# Altium PCB CL-HC-M-V2.1.PcbDoc (part 6 of 19) (continued)
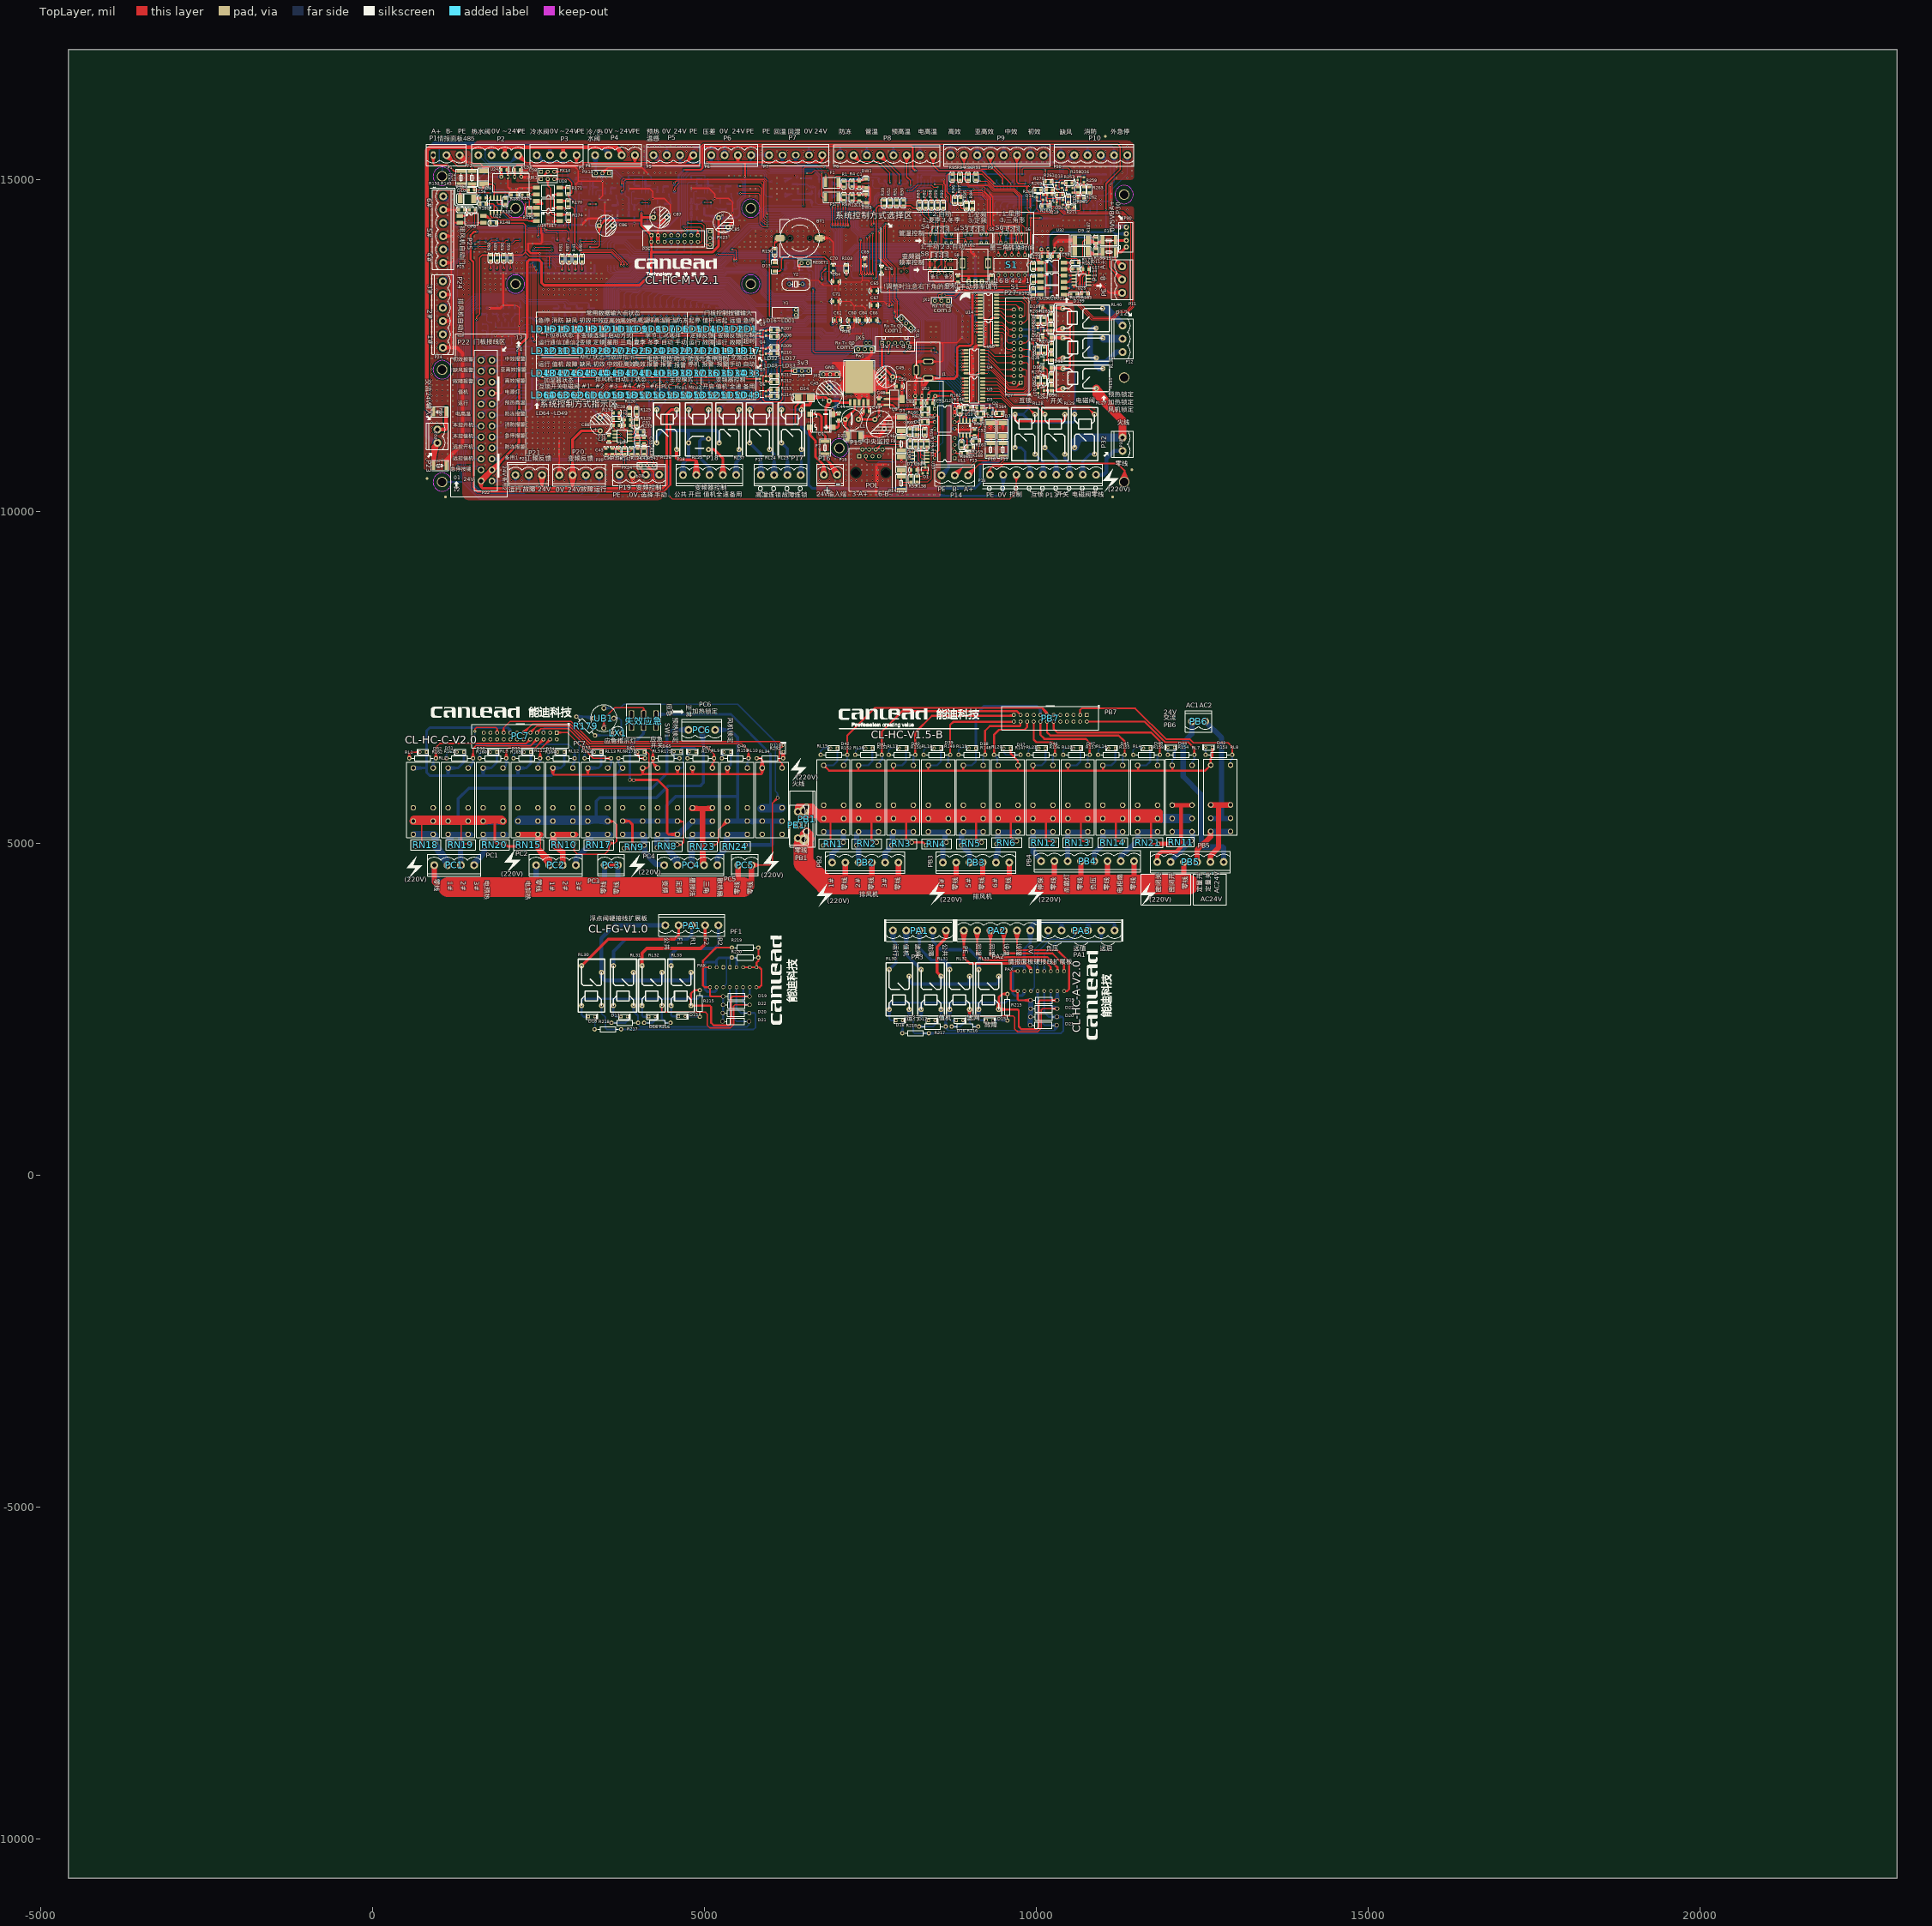
[diagram p0: TopLayer view]
## Nets (pads, with @x,y where several pads share a name; then routed paths per layer and width w, separated by ;. In a path a pad name is that pad's centre, name@x,y a point inside that pad or via, vN(x,y) a via of type N, cw(c..) or ccw(c..) an arc to the next point about the centre after c; other vN are vias at no path point) (continued)
24V-中效报警灯: P22.2 U8.14 | length 1142.2
  BottomLayer w20: P22.2@1802.48,12260.27 1910.66,12280.18 ; P22.2@1802.48,12300.1 1910.66,12280.18 ; P22.2@1807.93,12240.85 1910.66,12280.18 ; P22.2@1807.93,12319.52 1910.66,12280.18 ; 2207.38,12336.08 U8.14@2282.38,12336.08 ; U8.14@2294.67,12336.08 2073.22,12336.08 2017.32,12280.18 P22.2@1800.66,12280.18 1910.66,12280.18
24V-亚高效报警灯: P22.4 U8.12 | length 1169.2
  BottomLayer w20: P22.4@1802.48,12094.91 1910.66,12114.83 ; P22.4@1802.48,12134.74 1910.66,12114.83 ; P22.4@1807.93,12075.49 1910.66,12114.83 ; P22.4@1807.93,12154.16 1910.66,12114.83 ; 2207.38,12236.08 U8.12@2282.38,12236.08 ; U8.12@2294.67,12236.08 2155.67,12236.08 2034.42,12114.83 P22.4@1800.66,12114.83 1910.66,12114.83
24V-值机: RL25.2 U27.13 | length 1738.4
  BottomLayer w20: RL25.2@4744.8,11558.27 4844.56,11616.83 RL25.2@4786,11517.07 ; RL25.2@4762.76,11535.04 4911.02,11683.29 5988.64,11683.29 6010.95,11705.6 U27.13@6010.95,11818.83 ; 6010.95,11718.83 U27.13@6010.95,11793.83
24V-停机保温: P27.18 U15.16 | length 580.9
  TopLayer w15: U15.16@9403.64,12854.54 9482.41,12854.54 ; U15.16@9428.64,12854.54 9482.41,12854.54 ; P27.18@9662.7,12722.11 9593.07,12743.88 ; P27.18@9662.7,12765.66 9593.07,12743.88 ; 9482.41,12854.54 9593.07,12743.88 ; 9593.07,12743.88 P27.18@9666.03,12743.88 9593.07,12743.88
24V-初效报警灯: P22.1 U8.15 | length 1219.3
  BottomLayer w20: P22.1@1612.62,12313.13 1713.27,12358.15 ; P22.1@1622.5,12295.55 1713.27,12358.15 ; P22.1@1635.3,12280.18 1713.27,12358.15 ; P22.1@1650.67,12267.38 1713.27,12358.15 ; P22.1@1668.25,12257.5 1713.27,12358.15 ; 2207.38,12386.08 U8.15@2282.38,12386.08 ; U8.15@2294.67,12386.08 2052.49,12386.08 2024.56,12358.15 1713.27,12358.15
24V-加湿器-加湿互锁: RL28.1 U3.10 | length 1452.7
  TopLayer w15: U3.10@9194.27,11709.99 9472.52,11709.99 9628.06,11554.45 9890.74,11554.45 RL28.1@9981.53,11463.66 9910.34,11534.85 ; U3.10@9219.27,11709.99 9279.27,11709.99 ; RL28.1@9955.71,11444.98 9910.34,11534.85 ; RL28.1@9968.64,11452.77 9910.34,11534.85 ; RL28.1@9992.42,11476.55 9910.34,11534.85 ; RL28.1@10000.21,11489.48 9910.34,11534.85
24V-加湿器-加湿开关: RL29.2 U3.11 | length 1623.4
  TopLayer w15: U3.11@9194.27,11759.99 9460.98,11759.99 9641.52,11579.45 10015.74,11579.45 RL29.2@10131.53,11463.66 10060.34,11534.85 ; U3.11@9219.27,11759.99 9279.27,11759.99 ; RL29.2@10105.71,11444.98 10060.34,11534.85 ; RL29.2@10118.64,11452.77 10060.34,11534.85 ; RL29.2@10142.42,11476.55 10060.34,11534.85 ; RL29.2@10150.21,11489.48 10060.34,11534.85
24V-加湿器-加湿电磁阀: RL27.1 U3.12 | length 2392.1
  TopLayer w15: U3.12@9194.27,11809.99 9446.34,11809.99 9651.88,11604.45 10070.85,11604.45 10126.97,11548.33 10795.19,11548.33 RL27.1@10879.6,11463.92 10808.41,11535.11 ; U3.12@9219.27,11809.99 9279.27,11809.99 ; RL27.1@10853.79,11445.24 10808.41,11535.11 ; RL27.1@10866.72,11453.03 10808.41,11535.11 ; RL27.1@10890.49,11476.81 10808.41,11535.11 ; RL27.1@10898.29,11489.74 10808.41,11535.11
24V-加热1: P27.4 U4.13 | length 854.6
  TopLayer w15: U4.13@9194.27,12283.43 9282.38,12283.43 9521.92,12043.88 P27.4@9666.03,12043.88 9591.5,12043.88 ; U4.13@9219.27,12283.43 9279.27,12283.43 ; P27.4@9662.77,12022.1 9591.5,12043.88 ; P27.4@9662.77,12065.67 9591.5,12043.88
24V-加热2: P27.19 U14.15 | length 1020
  TopLayer w15: U14.15@9403.64,13217.5 9789.73,13217.5 9866.97,13140.26 9866.97,12895.91 9814.94,12843.88 ; U14.15@9428.64,13217.5 9488.64,13217.5 ; P27.19@9766.03,12843.88 9814.94,12843.88 ; P27.19@9770.99,12822.42 9814.94,12843.88 ; P27.19@9770.99,12865.35 9814.94,12843.88
24V-加热3: P27.1 U4.11 | length 1028.4
  TopLayer w15: U4.11@9194.27,12183.43 9298.16,12183.43 9596.36,11885.23 9707.38,11885.23 ; U4.11@9219.27,12183.43 9279.27,12183.43 ; P27.1@9748.52,11957.25 9707.38,11885.23 ; P27.1@9779.4,11926.38 9707.38,11885.23 ; 9707.38,11885.23 P27.1@9766.03,11943.88 9707.38,11885.23
24V-变频: P27.5 U3.16 | length 1297.3
  TopLayer w15: U3.16@9194.27,12009.99 9400.89,12009.99 9575.65,11835.23 9817.01,11835.23 9858.1,11876.32 9858.1,12120.81 9835.02,12143.88 ; U3.16@9219.27,12009.99 9279.27,12009.99 ; P27.5@9766.03,12143.88 9835.02,12143.88 ; P27.5@9769.55,12122.14 9835.02,12143.88 ; P27.5@9769.55,12165.63 9835.02,12143.88
24V-变频开启: RL26.2 U27.14 | length 2130.8
  BottomLayer w20: RL26.2@4264.8,11558.27 4364.56,11616.83 RL26.2@4306,11517.07 ; RL26.2@4282.76,11535.04 4459.02,11711.29 5934.55,11711.29 5960.95,11737.69 ; U27.14@5960.95,11793.83 5960.95,11737.69 ; U27.14@5960.95,11818.83 5960.95,11737.69
24V-备用: RL37.2 U27.12 | length 1329.2
  BottomLayer w20: RL37.2@5204.8,11558.27 5304.56,11616.83 RL37.2@5246,11517.07 ; RL37.2@5222.76,11535.04 5343.02,11655.29 6011.89,11655.29 6060.95,11704.36 U27.12@6060.95,11818.83 ; 6060.95,11718.83 U27.12@6060.95,11793.83
24V-外接急停报警: P22.16 U25.11 | length 1548.9
  BottomLayer w20: P22.16@1802.48,11102.78 1910.66,11122.7 ; P22.16@1802.48,11142.62 1910.66,11122.7 ; P22.16@1807.93,11083.37 1910.66,11122.7 ; P22.16@1807.93,11162.03 1910.66,11122.7 ; U25.11@2282.38,11716.61 2228.55,11716.61 ; U25.11@2307.38,11716.61 2228.55,11716.61 ; 1910.66,11122.7 P22.16@1800.66,11122.7 1963.04,11122.7 2104.07,11263.73 2104.07,11592.12 2228.55,11716.61
24V-定量阀: P27.3 U4.10 | length 1135.4
  TopLayer w15: U4.10@9194.27,12133.43 9312.8,12133.43 9586,11860.23 9806.66,11860.23 9833.1,11886.67 9833.1,12026.1 9815.31,12043.88 ; U4.10@9219.27,12133.43 9279.27,12133.43 ; P27.3@9766.03,12043.88 9815.31,12043.88 ; P27.3@9770.95,12022.41 9815.31,12043.88 ; P27.3@9770.95,12065.35 9815.31,12043.88
24V-定频: P27.7 U3.15 | length 1470.2
  TopLayer w15: U3.15@9194.27,11959.99 9402.4,11959.99 9562.86,11799.53 9816.67,11799.53 9883.1,11865.96 9883.1,12215.41 9854.62,12243.88 P27.7@9766.03,12243.88 ; U3.15@9219.27,11959.99 9279.27,11959.99 ; P27.7@9769.28,12222.1 9840.56,12243.88 P27.7@9769.28,12265.67
24V-密闭阀: P27.2 U4.12 | length 875.3
  TopLayer w15: U4.12@9194.27,12233.43 9284.42,12233.43 9573.96,11943.88 P27.2@9666.03,11943.88 9591.5,11943.88 ; U4.12@9219.27,12233.43 9279.27,12233.43 ; P27.2@9662.77,11922.1 9591.5,11943.88 ; P27.2@9662.77,11965.67 9591.5,11943.88
24V-情报-负压: OP3.2 P26.6 PA3.1 PAX.6@9920.16,2775.27 R249.2 | length 6681.2
  TopLayer w15: v1@6545.83,15097.48 6619.63,15097.48 6661.22,15139.08 v1(6852.92,15139.08) 6795.42,15139.08 ; v1(6546.7,15098.35) 6604.21,15097.48
  BottomLayer w15: P26.6@4388.96,14080.95 4450.8,14112.03 ; P26.6@4401.86,14063.1 4450.8,14112.03 ; P26.6@4419.72,14050.2 4450.8,14112.03 ; 6489.2,15098.35 v1(6546.7,15098.35) 5964.44,15098.35 5914.44,15148.35 4751.73,15148.35 4657.86,15054.48 4657.86,14421.41 4645,14408.55 4645,14252.36 4653.33,14244.02 4653.33,14127.58 4637.79,14112.03 4450.8,14112.03 ; v1(6852.92,15139.08) 7460.5,15139.08 7470.12,15129.45 7470.12,15046.15 7479.99,15036.28 7617.09,15036.28 7625.18,15028.19 ; R249.2@7612.83,14995.3 7625.18,14957.04 ; R249.2@7612.93,14999.76 7625.18,15028.19 ; R249.2@7637.42,14999.76 7625.18,15028.19 ; R249.2@7637.52,14995.3 7625.18,14957.04 ; OP3.2@7712.38,14877.24 7712.38,14935.21 ; OP3.2@7712.38,14907.24 7712.38,14935.21 ; 7625.18,14957.04 7635.56,14946.66 7700.93,14946.66 7712.38,14935.21 ; 7625.18,14957.04 R249.2@7625.18,14997.24 7625.18,15028.19
  BottomLayer w20: PAX.6@9909.41,2789.08 9970.16,2825.27 ; PAX.6@9920.16,2775.27 9970.16,2825.27 ; PAX.6@9933.97,2764.52 9970.16,2825.27 ; PA3.1@10133.82,3673.5 10181.01,3596.87 ; PA3.1@10152.34,3682.18 10181.01,3596.87 ; PA3.1@10209.69,3682.18 10181.01,3596.87 ; PA3.1@10228.21,3673.5 10181.01,3596.87 ; 9970.16,2825.27 9970.16,3396.02 10181.01,3606.87 ; 10181.01,3596.87 10181.01,3606.87 ; 10181.01,3596.87 PA3.1@10181.01,3686.87 10181.01,3606.87
24V-情报-远值: OP4.8 P26.7 PA3.3 PAX.7@10020.16,3075.27 R250.2 | length 3772.4
  BottomLayer w15: OP4.8@3202.76,13970.04 3202.76,14014.7 3219.35,14031.29 ; OP4.8@3202.76,14000.04 3219.35,14031.29 ; R250.2@3294.92,14127.25 3306.88,14063.35 ; R250.2@3319.81,14127.06 3306.88,14063.35 ; P26.7@4480.23,14158.97 4479.31,14222.54 ; P26.7@4520.79,14174.36 4479.31,14222.54 ; 3219.35,14031.29 3306.88,14031.29 ; 3306.88,14031.29 3467.7,14031.29 3557.99,14121.57 4062.25,14121.57 4163.21,14222.54 4479.31,14222.54 ; 3306.88,14031.29 3306.88,14127.86 R250.2@3307.38,14128.36 3306.88,14063.35 ; 4479.31,14222.54 4501.86,14199.99 ; 4479.31,14222.54 P26.7@4501.86,14163.1 ; P26.7@4501.86,14163.1 4501.86,14199.99 ; P26.7@4501.86,14163.1 4501.86,14199.99 ; 4501.86,14199.99 4480.84,14169.67 4501.86,14199.99 ; 4501.86,14199.99 4522.89,14169.67 4501.86,14199.99
  BottomLayer w20: PAX.7@10005.22,3086.59 10020.16,3170.27 ; PAX.7@10020.16,3075.27 10020.16,3361.02 10216.01,3556.87 ; PAX.7@10020.16,3085.27 10020.16,3170.27 ; PAX.7@10035.1,3086.59 10020.16,3170.27 ; 10226.01,3556.87 10531.01,3556.87 10581.01,3606.87 ; PA3.3@10534.32,3671.83 10581.01,3606.87 ; PA3.3@10552.44,3681.59 10581.01,3606.87 ; PA3.3@10581.01,3686.87 10581.01,3606.87 ; PA3.3@10609.59,3681.59 10581.01,3606.87 ; PA3.3@10627.71,3671.83 10581.01,3606.87
24V-情报-远启: OP4.6 P26.9 PA3.5 PAX.9@10120.16,3075.27 R251.2 | length 4915.7
  TopLayer w10: v1(3132.38,14072.9) v1(3345.23,14072.9) ; v1@3133.04,14065.42 3174.88,14072.9 v1@3133.04,14080.37 ; v1@3344.57,14065.42 3302.73,14072.9 v1@3344.57,14080.37
  BottomLayer w10: OP4.6@3092.83,14001.19 3102.76,14043.28 ; OP4.6@3102.76,13970.04 3102.76,14043.28 ; OP4.6@3102.76,14000.04 3102.76,14043.28 ; OP4.6@3112.69,14001.19 3102.76,14043.28 ; R251.2@3117.54,14126.11 v1@3132.38,14078.36 ; v1@3124.99,14071.58 R251.2@3121.15,14114.51 ; v1@3125.33,14075.47 R251.2@3143.6,14114.51 ; v1@3126.62,14077.7 3102.76,14043.28 ; v1@3137.18,14067.14 3102.76,14043.28 ; v1@3139.42,14075.47 R251.2@3121.15,14114.51 ; v1@3139.76,14071.58 R251.2@3143.6,14114.51 ; R251.2@3147.21,14126.11 v1@3132.38,14078.36 ; 3102.76,14043.28 v1(3132.38,14072.9) ; 3102.76,14043.28 v1(3132.38,14072.9) ; R251.2@3121.15,14114.51 v1(3132.38,14072.9) ; v1(3132.38,14072.9) R251.2@3132.38,14128.36 v1@3132.38,14078.36 ; v1(3132.38,14072.9) R251.2@3143.6,14114.51 ; v1(3132.38,14072.9) R251.2@3132.38,14115.4 ; R251.2@3132.38,14115.4 3124.9,14073.56 R251.2@3132.38,14115.4 ; R251.2@3132.38,14115.4 3139.85,14073.56 R251.2@3132.38,14115.4
  BottomLayer w15: v1(3345.23,14072.9) 3476.78,14072.9 3548.46,14144.57 4033.38,14144.57 4134.35,14245.54 4569.58,14245.54 4601.86,14213.25 ; P26.9@4580.37,14167.93 4601.86,14213.25 ; P26.9@4601.86,14163.1 4601.86,14213.25 ; P26.9@4623.35,14167.93 4601.86,14213.25
  BottomLayer w20: PAX.9@10102.75,3077.02 10120.16,3162.77 PAX.9@10137.57,3077.02 ; PAX.9@10120.16,3075.27 10120.16,3336.02 ; 10130.16,3336.02 10311.01,3516.87 10957.26,3516.87 10981.01,3540.62 PA3.5@10981.01,3686.87 ; PA3.5@10933.01,3676.76 10981.01,3567.81 ; PA3.5@10952.18,3683.32 10981.01,3567.81 ; PA3.5@11009.85,3683.32 10981.01,3567.81 ; PA3.5@11029.02,3676.76 10981.01,3567.81
24V-排风机1: P27.13 U14.16 | length 1462.9
  TopLayer w15: U14.16@9403.64,13267.5 9790.38,13267.5 9894.76,13163.12 9894.76,12592.56 9846.08,12543.88 P27.13@9766.03,12543.88 ; U14.16@9428.64,13267.5 9488.64,13267.5 ; P27.13@9769.28,12522.1 9840.56,12543.88 P27.13@9769.28,12565.67
24V-排风机2: P27.21 U14.14 | length 838.3
  TopLayer w15: U14.14@9403.64,13167.5 9781.71,13167.5 9828.29,13120.92 9828.29,12955.29 9816.88,12943.88 ; U14.14@9428.64,13167.5 9488.64,13167.5 ; P27.21@9766.03,12943.88 9816.88,12943.88 ; P27.21@9770.8,12922.38 9816.88,12943.88 ; P27.21@9770.8,12965.39 9816.88,12943.88
24V-排风机3: P27.23 U14.13 | length 713.2
  TopLayer w15: U14.13@9403.64,13117.5 9692.42,13117.5 P27.23@9766.03,13043.88 9704.68,13105.23 ; U14.13@9428.64,13117.5 9488.64,13117.5 ; P27.23@9748.6,13030.41 9704.68,13105.23 ; P27.23@9779.5,13061.31 9704.68,13105.23
24V-排风机4: P27.24 U14.12 | length 548.7
  TopLayer w15: U14.12@9403.64,13067.5 9481.6,13067.5 ; U14.12@9428.64,13067.5 9481.6,13067.5 ; P27.24@9662.77,13022.1 9591.5,13043.88 ; P27.24@9662.77,13065.67 9591.5,13043.88 ; 9481.6,13067.5 9505.21,13043.88 P27.24@9666.03,13043.88 9591.5,13043.88
24V-排风机5: P27.22 U14.11 | length 552.7
  TopLayer w15: U14.11@9403.64,13017.5 9464.89,13017.5 ; U14.11@9428.64,13017.5 9464.89,13017.5 ; P27.22@9662.77,12922.1 9591.5,12943.88 ; P27.22@9662.77,12965.67 9591.5,12943.88 ; 9464.89,13017.5 9538.51,12943.88 P27.22@9666.03,12943.88 9591.5,12943.88
24V-排风机6: P27.20 U14.10 | length 563.3
  TopLayer w15: U14.10@9403.64,12967.5 9454.78,12967.5 ; U14.10@9428.64,12967.5 9454.78,12967.5 ; P27.20@9662.77,12822.1 9591.5,12843.88 ; P27.20@9662.77,12865.67 9591.5,12843.88 ; 9454.78,12967.5 9578.39,12843.88 P27.20@9666.03,12843.88 9591.5,12843.88
24V-故障联运输出: RL24.2 U27.11 | length 925.3
  BottomLayer w20: RL24.2@5664.8,11558.27 5764.56,11616.83 RL24.2@5706,11517.07 ; RL24.2@5682.76,11535.04 5769.62,11621.89 6038.93,11621.89 6110.95,11693.92 U27.11@6110.95,11818.83 ; 6110.95,11718.83 U27.11@6110.95,11793.83
24V-散热扇: P27.11 U3.13 | length 1787.2
  TopLayer w15: U3.13@9194.27,11859.99 9431.69,11859.99 9542.73,11748.95 9850.42,11748.95 9850.42,11762.58 9933.1,11845.25 9933.1,12409.27 9898.48,12443.88 P27.11@9766.03,12443.88 ; U3.13@9219.27,11859.99 9279.27,11859.99 ; P27.11@9769.28,12422.1 9840.56,12443.88 P27.11@9769.28,12465.67
24V-星三角: P27.9 U3.14 | length 1622.3
  TopLayer w15: U3.14@9194.27,11909.99 9417.05,11909.99 9552.51,11774.53 9827.02,11774.53 9908.1,11855.61 9908.1,12308.65 9872.86,12343.88 P27.9@9766.03,12343.88 ; U3.14@9219.27,11909.99 9279.27,11909.99 ; P27.9@9769.28,12322.1 9840.56,12343.88 P27.9@9769.28,12365.67
24V-机组值机灯: P22.7 U8.10 | length 1487.8
  BottomLayer w20: P22.7@1612.04,11816.66 1721.46,11870.28 ; P22.7@1622.37,11799.37 1721.46,11870.28 ; P22.7@1650.56,11771.19 1721.46,11870.28 ; P22.7@1667.85,11760.86 1721.46,11870.28 ; U8.10@2282.38,12136.08 2208.93,12136.08 ; U8.10@2294.67,12136.08 2208.93,12136.08 ; 1721.46,11870.28 P22.7@1635.3,11784.12 1721.46,11870.28 ; 1721.46,11870.28 1943.12,11870.28 2208.93,12136.08
24V-机组故障灯: P22.5 U8.16 | length 1907.3
  BottomLayer w20: P22.5@1602.97,11925.92 1544.17,12040.61 ; P22.5@1620.11,11936.47 1544.17,12040.61 ; P22.5@1648.31,11964.67 1544.17,12040.61 ; P22.5@1658.86,11981.8 1544.17,12040.61 ; U8.16@2282.38,12436.08 2237.38,12436.08 ; U8.16@2307.38,12436.08 2237.38,12436.08 ; 1544.17,12040.61 P22.5@1635.3,11949.47 1544.17,12040.61 ; 1544.17,12040.61 1544.17,12317.03 1613.29,12386.15 2012.93,12386.15 2040.86,12414.08 2215.38,12414.08 2237.38,12436.08
24V-机组运行灯: P22.9 U25.16 | length 1517.1
  BottomLayer w20: P22.9@1611.9,11651.21 1723.83,11707.29 ; P22.9@1622.34,11633.99 1723.83,11707.29 ; P22.9@1650.53,11605.8 1723.83,11707.29 ; P22.9@1667.74,11595.36 1723.83,11707.29 ; 2207.38,11966.61 U25.16@2282.38,11966.61 ; U25.16@2307.38,11966.61 2131.89,11966.61 1872.57,11707.29 1723.83,11707.29 ; 1723.83,11707.29 P22.9@1635.3,11618.77 1723.83,11707.29
24V-杀菌灯: P27.16 U15.15 | length 644.8
  TopLayer w15: U15.15@9403.64,12804.54 9497.06,12804.54 9583.46,12718.14 9583.46,12653.74 9593.31,12643.88 ; U15.15@9428.64,12804.54 9488.64,12804.54 ; P27.16@9662.69,12622.11 9593.31,12643.88 ; P27.16@9662.69,12665.66 9593.31,12643.88 ; 9593.31,12643.88 P27.16@9666.03,12643.88 9593.31,12643.88
24V-消防报警: P22.14 U25.12 | length 1425.7
  BottomLayer w20: P22.14@1802.48,11268.14 1910.66,11288.06 ; P22.14@1802.48,11307.97 1910.66,11288.06 ; P22.14@1807.93,11248.72 1910.66,11288.06 ; P22.14@1807.93,11327.39 1910.66,11288.06 ; U25.12@2282.38,11766.61 2225.85,11766.61 ; U25.12@2307.38,11766.61 2225.85,11766.61 ; 1910.66,11288.06 P22.14@1800.66,11288.06 1942.3,11288.06 2074.07,11419.82 2074.07,11614.82 2225.85,11766.61
24V-电柜扇: P27.12 U15.13 | length 688.9
  TopLayer w15: U15.13@9403.64,12704.54 9489.99,12704.54 9532.02,12662.51 9532.02,12475.6 9563.73,12443.88 P27.12@9666.03,12443.88 ; U15.13@9428.64,12704.54 9488.64,12704.54 ; P27.12@9662.77,12422.1 9591.5,12443.88 P27.12@9662.77,12465.67
24V-电热高温报警灯: P22.11 U25.14 | length 1483.5
  BottomLayer w20: P22.11@1612.47,11486.25 1715.25,11533.36 ; P22.11@1622.47,11468.75 1715.25,11533.36 ; P22.11@1650.64,11440.58 1715.25,11533.36 ; P22.11@1668.14,11430.58 1715.25,11533.36 ; 2207.38,11866.61 U25.14@2282.38,11866.61 ; U25.14@2307.38,11866.61 2204.66,11866.61 1871.41,11533.36 1715.25,11533.36 ; 1715.25,11533.36 P22.11@1635.3,11453.41 1715.25,11533.36
24V-电预热高温报警灯: P22.10 U25.15 | length 1181.5
  BottomLayer w20: P22.10@1802.76,11598.88 1895.95,11618.77 ; P22.10@1802.76,11638.66 1895.95,11618.77 ; P22.10@1809.05,11579.66 1895.95,11618.77 ; P22.10@1809.05,11657.87 1895.95,11618.77 ; 2207.38,11916.61 U25.15@2282.38,11916.61 ; U25.15@2307.38,11916.61 2193.79,11916.61 1895.95,11618.77 ; 1895.95,11618.77 P22.10@1800.66,11618.77 1895.95,11618.77
24V-缺风报警灯: P22.3 U8.13 | length 1381
  BottomLayer w20: P22.3@1612.36,12147.59 1716.73,12196.25 ; P22.3@1622.44,12130.14 1716.73,12196.25 ; P22.3@1650.62,12101.97 1716.73,12196.25 ; P22.3@1668.07,12091.89 1716.73,12196.25 ; 2207.38,12286.08 U8.13@2282.38,12286.08 ; U8.13@2294.67,12286.08 2132.69,12286.08 2042.86,12196.25 1716.73,12196.25 ; 1716.73,12196.25 P22.3@1635.3,12114.83 1716.73,12196.25
24V-负压: P27.14 U15.14 | length 634.5
  TopLayer w15: U15.14@9403.64,12754.54 9496.48,12754.54 9558.46,12692.56 9558.46,12563.1 9577.68,12543.88 P27.14@9666.03,12543.88 ; U15.14@9428.64,12754.54 9488.64,12754.54 ; P27.14@9662.77,12522.1 9591.5,12543.88 P27.14@9662.77,12565.67
24V-防冻停机报警: P22.18 U25.10 | length 1681.6
  BottomLayer w20: P22.18@1802.48,10937.43 1910.66,10957.35 ; P22.18@1802.48,10977.26 1910.66,10957.35 ; P22.18@1807.93,10918.01 1910.66,10957.35 ; P22.18@1807.93,10996.68 1910.66,10957.35 ; U25.10@2282.38,11666.61 2227.53,11666.61 ; U25.10@2307.38,11666.61 2227.53,11666.61 ; 1910.66,10957.35 P22.18@1800.66,10957.35 1989.87,10957.35 2157.72,11125.2 2157.72,11596.8 2227.53,11666.61
24V-防冻报警灯: P22.12 U25.13 | length 1362
  BottomLayer w20: P22.12@1802.48,11433.49 1910.66,11453.41 ; P22.12@1802.48,11473.33 1910.66,11453.41 ; P22.12@1807.93,11414.08 1910.66,11453.41 ; P22.12@1807.93,11492.74 1910.66,11453.41 ; U25.13@2282.38,11816.61 2208.05,11816.61 ; U25.13@2307.38,11816.61 2208.05,11816.61 ; 1910.66,11453.41 P22.12@1800.66,11453.41 1982.37,11453.41 2044.07,11515.1 2044.07,11652.63 2208.05,11816.61
24V-面板-值机: D21.A P26.10 PAX.8 R217.2 RL31.2 U26.14 | length 8721.7
  BottomLayer w15: U26.14@3592.74,13960.04 3592.74,14042.92 ; U26.14@3592.74,13985.04 3592.74,14042.92 ; P26.10@4580.08,14059.84 4601.86,13988.57 P26.10@4623.65,14059.84 ; P26.10@4601.86,14063.1 4601.86,13957.15 4564.38,13919.66 3946.51,13919.66 3800.44,14065.73 3615.56,14065.73 3592.74,14042.92
  BottomLayer w25: R217.2@4000.73,2297.59 4000.73,2267.59 4030.73,2237.59 5642.68,2237.59 5672.98,2267.9 D21.A@5672.98,2317.9 5490.43,2317.9 5384.49,2423.84 PAX.8@5384.49,2832.67 ; R217.2@8620.05,2228.68 8666.41,2180.19 ; R217.2@8655.43,2246.37 8666.41,2180.19 ; PAX.8@10005.2,2774.17 10020.16,2672.77 ; PAX.8@10035.12,2774.17 10020.16,2672.77 ; D21.A@10282.35,2265.93 10278.35,2180.19 ; D21.A@10305.5,2233.81 10194.29,2260.5 D21.A@10305.5,2287.18 ; D21.A@10332,2247.19 10278.35,2180.19 ; 8666.41,2180.19 8636.41,2210.19 R217.2@8636.41,2240.19 8666.41,2180.19 ; 8666.41,2180.19 10278.35,2180.19 ; 10020.16,2672.77 PAX.8@10020.16,2775.27 10020.16,2366.44 10126.1,2260.5 D21.A@10308.66,2260.5 ; 10278.35,2180.19 10308.66,2210.5 ; 10278.35,2180.19 D21.A@10308.66,2260.5 ; 10308.66,2210.5 D21.A@10308.66,2260.5 ; 10308.66,2210.5 10334.54,2253.28 10308.66,2210.5 ; 10308.66,2210.5 10282.78,2253.28 10308.66,2210.5 ; 10308.66,2210.5 D21.A@10308.66,2260.5
  BottomLayer w30: RL31.2@3930.73,2555.46 3930.73,2471.48 4000.73,2401.48 R217.2@4000.73,2297.59 ; RL31.2@8542.3,2494.52 8566.41,2414.08 ; RL31.2@8566.41,2498.06 8566.41,2414.08 ; RL31.2@8590.52,2494.52 8566.41,2414.08 ; R217.2@8618.97,2241.66 8636.41,2344.08 ; R217.2@8636.41,2240.19 8636.41,2344.08 ; R217.2@8653.85,2241.66 8636.41,2344.08 ; 8566.41,2414.08 8636.41,2344.08
24V-面板-故障: D19.A P26.14 PAX.14 R215.2 RL33.2 U26.16 | length 7285.8
  TopLayer w30: R215.2@4930.73,2787.59 4849.12,2787.59 4799.12,2737.59 RL33.2@4799.12,2555.46 5082.87,2555.46 5100.73,2537.59 5100.73,2297.59 5140.73,2257.59 5246.32,2257.59 5247.51,2256.4 5369.24,2256.4 5400.73,2287.9 5400.73,2673.58 5420.73,2693.58 D19.A@5681.18,2693.58 ; RL33.2@9410.54,2500.35 9434.8,2627.43 RL33.2@9459.06,2500.35 ; RL33.2@9437.1,2473.8 9564.17,2498.06 RL33.2@9437.1,2522.32 ; R215.2@9564.53,2712.79 9484.8,2730.19 ; R215.2@9564.53,2747.59 9484.8,2730.19 ; D19.A@10315.74,2619.72 10195.36,2636.18 D19.A@10315.74,2652.64 ; D19.A@10316.86,2636.18 10056.41,2636.18 10036.41,2616.18 10036.41,2230.5 10004.91,2199 9883.19,2199 9882,2200.19 9776.41,2200.19 9736.41,2240.19 9736.41,2480.19 9718.54,2498.06 RL33.2@9434.8,2498.06 9434.8,2680.19 9484.8,2730.19 ; 9484.8,2730.19 R215.2@9566.41,2730.19 9484.8,2730.19
  BottomLayer w15: U26.16@3692.74,13960.04 3817.95,13960.04 3908.3,13869.68 4789.28,13869.68 4801.86,13882.27 P26.14@4801.86,14063.1 ; P26.14@4780.08,14059.84 4801.86,13988.57 P26.14@4823.65,14059.84
  BottomLayer w30: D19.A@5681.18,2693.58 5684.49,2696.88 PAX.14@5684.49,2832.67 ; D19.A@10292.66,2639.09 PAX.14@10320.16,2765.62 ; D19.A@10297.08,2659.41 PAX.14@10320.16,2775.27 ; D19.A@10317.41,2657.79 PAX.14@10320.16,2775.27 ; D19.A@10337.74,2658.72 PAX.14@10320.16,2775.27 ; D19.A@10341.17,2637.85 PAX.14@10320.16,2765.62 ; PAX.14@10320.16,2765.62 D19.A@10316.86,2636.18 10320.16,2639.48 PAX.14@10320.16,2775.27
24V-面板-滤网: D22.A P26.12 PAX.12 R216.2 RL32.2 U26.15 | length 8082.1
  TopLayer w20: RL32.2@4360.41,2555.46 4360.41,2467.92 4370.73,2457.59 5016.27,2457.59 5040.73,2433.12 5040.73,2261.02 5085.35,2216.4 5385.81,2216.4 5440.73,2271.33 5440.73,2547.59 5459.91,2566.76 D22.A@5681.18,2566.76 ; RL32.2@8967.13,2493.13 8996.08,2410.52 ; RL32.2@8996.08,2498.06 8996.08,2410.52 ; RL32.2@9025.03,2493.13 8996.08,2410.52 ; D22.A@10314.33,2488.02 10225.36,2509.36 D22.A@10314.33,2530.71 ; D22.A@10316.86,2509.36 10095.58,2509.36 10076.41,2490.19 10076.41,2213.93 10021.48,2159 9721.03,2159 9676.41,2203.62 9676.41,2375.72 9651.94,2400.19 9006.41,2400.19 8996.08,2410.52
  BottomLayer w15: U26.15@3642.74,13960.04 3642.74,14026.02 ; U26.15@3642.74,13985.04 3642.74,14026.02 ; 3884.63,13938.36 3880.98,13942 ; P26.12@4680.08,14059.84 4701.86,13988.57 P26.12@4723.65,14059.84 ; P26.12@4701.86,14063.1 4701.86,13926.58 4667.97,13892.68 3930.3,13892.68 3880.98,13942 ; 3642.74,14026.02 3657.45,14040.73 3782.26,14040.73 3880.98,13942
  BottomLayer w30: RL32.2@4360.41,2555.46 4360.41,2357.92 4420.73,2297.59 R216.2@4490.73,2297.59 ; PAX.12@5584.49,2832.67 5584.49,2613.84 5631.56,2566.76 D22.A@5681.18,2566.76 ; RL32.2@8971.82,2495.76 8996.08,2368.69 RL32.2@9020.34,2495.76 ; RL32.2@8996.08,2498.06 8996.08,2300.52 9056.41,2240.19 ; R216.2@9124.22,2222.83 9056.41,2240.19 ; R216.2@9124.22,2257.55 9056.41,2240.19 ; R216.2@9126.41,2240.19 9056.41,2240.19 ; PAX.12@10220.16,2775.27 10220.16,2556.44 ; D22.A@10303.78,2488.8 10220.16,2556.44 ; D22.A@10324.97,2532.34 10220.16,2556.44 ; 10220.16,2556.44 10267.23,2509.36 ; 10220.16,2556.44 D22.A@10316.86,2509.36 ; 10267.23,2509.36 D22.A@10316.86,2509.36 ; 10267.23,2509.36 10310.87,2485.74 10267.23,2509.36 ; 10267.23,2509.36 10310.87,2532.99 10267.23,2509.36 ; 10267.23,2509.36 D22.A@10316.86,2509.36
24V-面板-运行: D20.A P26.8 PAX.10 R218.2 RL30.2 U26.13 | length 9455.9
  BottomLayer w15: U26.13@3542.74,13960.04 3542.74,14045.05 3587.99,14090.3 3823.31,14090.3 3970.94,13942.66 4458.44,13942.66 4501.86,13986.08 P26.8@4501.86,14063.1 ; U26.13@3542.74,13985.04 3542.74,14045.04 ; P26.8@4480.08,14059.84 4501.86,13988.57 P26.8@4523.65,14059.84
  BottomLayer w25: RL30.2@3450,2555.46 3450,2438.32 3510.73,2377.59 3510.73,2297.59 3510.73,2217.59 3530.73,2197.59 5740.73,2197.59 5770.73,2227.59 5770.73,2427.59 5755.2,2443.12 ; RL30.2@8059,2494.9 8085.68,2383.69 RL30.2@8112.36,2494.9 ; RL30.2@8085.68,2498.06 8085.68,2380.92 8146.41,2320.19 8146.41,2240.19 8146.41,2160.19 8166.41,2140.19 10376.41,2140.19 10406.41,2170.19 10406.41,2370.19 10390.88,2385.72 ; R218.2@8380.53,2120.28 8274.89,2140.19 R218.2@8380.53,2160.1 ; R218.2@8384.25,2120.28 8489.89,2140.19 R218.2@8384.25,2160.1
  BottomLayer w30: PAX.10@5484.49,2832.67 5484.49,2513.84 5555.2,2443.12 D20.A@5677.22,2443.12 5755.2,2443.12 ; PAX.10@10120.16,2775.27 10120.16,2456.44 10190.88,2385.72 ; D20.A@10310.46,2361.47 10190.88,2385.72 ; D20.A@10310.46,2409.97 10190.88,2385.72 ; D20.A@10316.7,2361.65 10390.88,2385.72 ; D20.A@10316.7,2409.79 10390.88,2385.72 ; 10190.88,2385.72 D20.A@10312.89,2385.72 10390.88,2385.72
24V-预热1: P27.10 U4.16 | length 715.9
  TopLayer w15: U4.16@9194.27,12433.43 9277.31,12433.43 ; U4.16@9219.27,12433.43 9277.31,12433.43 ; P27.10@9662.77,12322.1 9591.5,12343.88 P27.10@9662.77,12365.67 ; P27.10@9666.03,12343.88 9366.85,12343.88 9277.31,12433.43
24V-预热2: P27.8 U4.15 | length 804.9
  TopLayer w15: U4.15@9194.27,12383.43 9271.02,12383.43 ; U4.15@9219.27,12383.43 9271.02,12383.43 ; P27.8@9662.77,12222.1 9591.5,12243.88 ; P27.8@9662.77,12265.67 9591.5,12243.88 ; 9271.02,12383.43 9410.56,12243.88 P27.8@9666.03,12243.88 9591.5,12243.88
24V-预热3: P27.6 U4.14 | length 822.3
  TopLayer w15: U4.14@9194.27,12333.43 9267.73,12333.43 ; U4.14@9219.27,12333.43 9267.73,12333.43 ; P27.6@9662.77,12122.1 9591.5,12143.88 ; P27.6@9662.77,12165.67 9591.5,12143.88 ; 9267.73,12333.43 9457.27,12143.88 P27.6@9666.03,12143.88 9591.5,12143.88
24V-高效报警灯: P22.6 U8.11 | length 1217
  BottomLayer w20: P22.6@1802.48,11929.56 1910.66,11949.47 ; P22.6@1802.48,11969.39 1910.66,11949.47 ; P22.6@1807.93,11910.14 1910.66,11949.47 ; P22.6@1807.93,11988.81 1910.66,11949.47 ; 2207.38,12186.08 U8.11@2282.38,12186.08 ; U8.11@2294.67,12186.08 2176.83,12186.08 1940.22,11949.47 P22.6@1800.66,11949.47 1910.66,11949.47
24V-高温联动输出: RL23.2 U27.10 | length 657.8
  BottomLayer w20: RL23.2@6133.64,11538.85 6160.95,11634.44 ; 6160.95,11718.83 U27.10@6160.95,11793.83 ; U27.10@6160.95,11818.83 6160.95,11536.85 RL23.2@6162.76,11535.04 6160.95,11634.44 ; RL23.2@6191.72,11539.9 6160.95,11634.44
24VIN+: F7.1 P16.2 | length 1411.4
  TopLayer w40: P16.2@6964.97,10536.34 6891.52,10728.74 ; P16.2@7031.07,10577.28 6891.52,10728.74 ; 6822.38,10797.89 6999.97,10620.29 ; 6822.38,10797.89 F7.1@6822.38,10869.17 6822.38,10797.89 ; 6891.52,10728.74 P16.2@6999.97,10553.66 ; P16.2@6999.97,10553.66 6999.97,10620.29 ; P16.2@6999.97,10553.66 6999.97,10620.29 ; 6999.97,10620.29 6962.63,10565.11 6999.97,10620.29 ; 6999.97,10620.29 7037.31,10565.11 6999.97,10620.29
24VIN-: D1.2 P16.1 | length 1328.9
  TopLayer w40: D1.2@6566.94,11267.63 6590.13,11152 ; D1.2@6590.13,11269.93 6590.13,11152 ; D1.2@6613.32,11267.63 6590.13,11152 ; P16.1@6761.27,10558.92 6799.97,10698.57 ; P16.1@6799.97,10553.66 6799.97,10698.57 ; P16.1@6838.67,10558.92 6799.97,10698.57 ; 6590.13,11152 6675.27,11066.86 6675.27,10823.27 6799.97,10698.57
165S_DO1: U2.9 U28.10 | length 1972
  TopLayer w10: v1@2461.22,12921.23 2468.69,12963.07 v1@2476.16,12921.23 ; v1@2461.22,13637.7 2468.69,13595.86 ; v1(2468.69,12920.57) v1(2468.69,13638.36) 2468.69,13595.86 ; v1@2476.16,13637.7 2468.69,13595.86
  BottomLayer w10: v1@2461.22,13639.02 2468.69,13680.86 v1@2476.16,13639.02 ; v1(2468.69,13638.36) 2468.69,13926.86 2530.19,13988.36 ; v1@2469.34,12913.1 2511.19,12920.5 ; v1@2469.36,12928.04 2511.19,12920.5 ; U28.10@2566.36,13978.45 2530.19,13988.36 ; U28.10@2566.36,13998.27 2530.19,13988.36 ; U28.10@2567.69,13988.36 2530.19,13988.36 ; U2.9@2586.26,12910.56 2542.38,12920.5 ; U2.9@2586.26,12930.44 2542.38,12920.5 ; U2.9@2587.38,12920.5 2542.38,12920.5 ; U28.10@2592.69,13988.36 2530.19,13988.36 ; U2.9@2612.38,12920.5 2468.76,12920.5 v1(2468.69,12920.57) 2511.19,12920.5
165S_DO2: U28.9 U29.10 | length 7097
  TopLayer w15: v1(8060.74,14839.06) 8131.38,14839.06 8214.09,14921.77 8422.87,14921.77 8454.46,14890.19 v1(8517.38,14890.19)
  BottomLayer w10: U28.9@2592.69,14038.36 2697.73,14038.36 2766.11,13969.98 2766.11,13902.79 2808.86,13860.04 3840.97,13860.04 3869.82,13831.18 5198.4,13831.18 5684.38,14317.16 5847.19,14317.16 5860.33,14330.3 5860.33,14505.92 5919.03,14564.62 7449.07,14564.62 7560.03,14675.57 7560.03,14745.59 7617.46,14803.03 8053.03,14803.03 8060.74,14810.73 ; U28.9@2617.69,14038.36 2662.69,14038.36 ; U28.9@2618.8,14028.42 2662.69,14038.36 ; U28.9@2618.8,14048.3 2662.69,14038.36 ; v1@8053.3,14838.07 8060.74,14810.73 ; v1@8068.17,14838.07 8060.74,14810.73 ; 8060.74,14810.73 v1(8060.74,14839.06) 8060.74,14810.73
  BottomLayer w15: U29.10@8517.38,14748.36 v1(8517.38,14890.19) ; U29.10@8517.38,14773.36 8517.38,14833.36